# KiCad board Ricardo-Stark.kicad_pcb (continued)
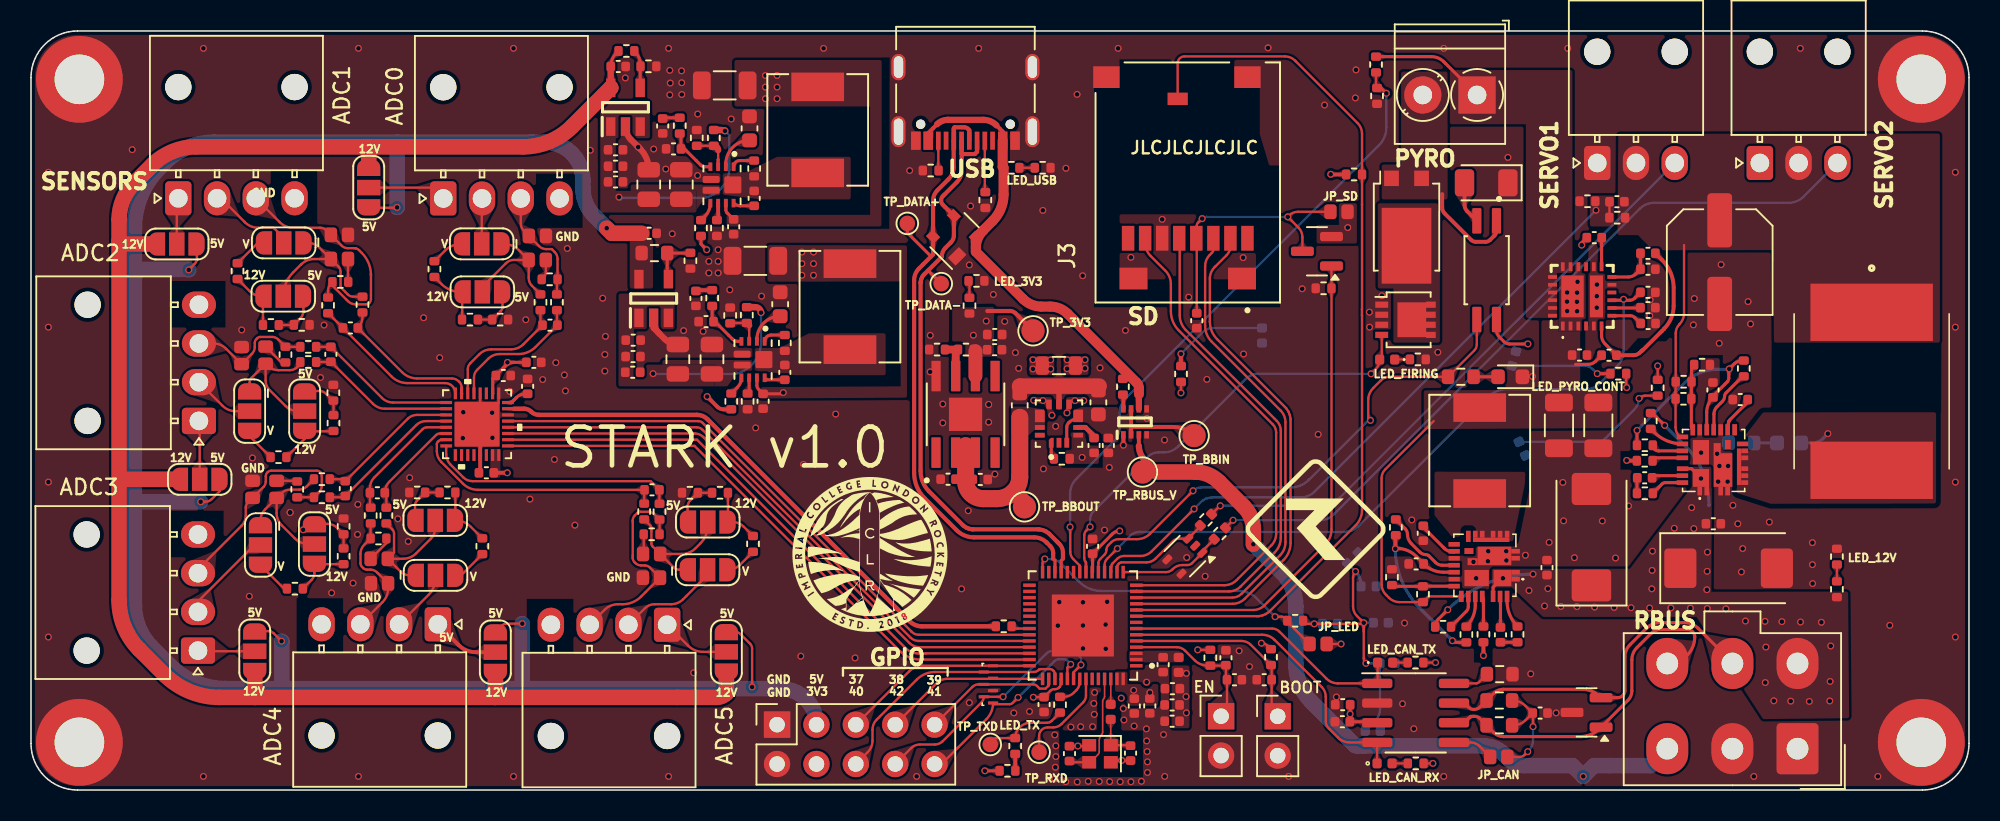
[diagram p0: board, top side]
## Library data of the parts (continued)
Q2 = -: Datasheet: https://assets.nexperia.com/documents/data-sheet/BUK9M11-40E.pdf; ki_fp_filters: LFPAK33*
Q3 = -: Datasheet: https://www.diodes.com/assets/Datasheets/DMP3099L.pdf; Sim.Device: PMOS; Sim.Type: VDMOS; Sim.Pins: 1=D 2=G 3=S; MPN: DMP3099L
R1-R13 R15-R79 R81-R84 R86-R88 R90-R92 R95-R104 R107 = -: ki_fp_filters: R_*
R105 R106 R108-R113 = -: Description: Resistor, small symbol; ki_fp_filters: R_*
TP1-TP8 = -: ki_fp_filters: Pin* Test*
U1 = -: Datasheet: https://www.espressif.com/sites/default/files/documentation/esp32-s3_datasheet_en.pdf
U2 = -: Datasheet: http://www.ti.com/lit/ds/symlink/sn65hvd230.pdf; ki_fp_filters: SOIC*3.9x4.9mm*P1.27mm*
U3 = -: Datasheet: https://www.ti.com/lit/gpn/lm66200; Description: 1.6-V to 5.5-V, 40-m, 2.5-A, low-IQ, dual ideal diode; Arrow Price/Stock: https://www.arrow.com/en/products/lm66200drlr/texas-instruments?region=nac; Height: 0.6; Manufacturer_Name: Texas Instruments; Mouser Part Number: 595-LM66200DRLR; Mouser Price/Stock: https://www.mouser.co.uk/ProductDetail/Texas-Instruments/LM66200DRLR?qs=Rp5uXu7WBW90hnpZAkIOdQ%3D%3D
U4 = -: MANUFACTURER: Maxim Integrated; MAXIMUM_PACKAGE_HEIGHT: 0.6mm; PARTREV: B; STANDARD: Manufacturer Recommended
U6 U10 = -: Datasheet: https://componentsearchengine.com/Datasheets/1/SiC437BED-T1-GE3.pdf; Description: Switching Voltage Regulators 3-28V 12A 50uA microBUCK MLP44-24; Arrow Part Number: SIC437BED-T1-GE3; Arrow Price/Stock: https://www.arrow.com/en/products/sic437bed-t1-ge3/vishay; Height: 0.8; Manufacturer_Name: Vishay; Mouser Part Number: 78-SIC437BED-T1-GE3; Mouser Price/Stock: https://www.mouser.co.uk/ProductDetail/Vishay-Siliconix/SiC437BED-T1-GE3?qs=chTDxNqvsyntp1SKlnHzGA%3D%3D
U7 = -: Datasheet: https://www.ti.com/lit/ds/symlink/ads131m06.pdf?ts=1722711447211&ref_url=https%253A%252F%252Fwww.ti.com%252Fproduct%252FADS131M06%253Fbm-verify%253DAAQAAAAJ_____3PRcak1s9y645AuuHNjtl9rOtrOIaOoIVylsudph4b42jws10PfoUc0NN8_vn4A5W1PRfakw0bMSz4jfLGW4zaYkLbaDcvq5L5_zHo15yGpMW7BVF3od7cx9KhugtbVdriNFDBo5LRJV0MvT1XGnlQPXQsUQtS6SiiLh9zAg47OOFflajmXwhRg6KqjRqyBOY1aoAJpzpQG_9El4vVs_b69ddXI-wn4pOsqD4OqvW4Iuar98OBh1F0vSQESnFJRUPIJBo_njnga3v0Ss-YlF-leunJX_IX177A5irbWwsOW0wVB; Field4: *; Field5: *; Field6: 0.008in/0.204mm; Field7: Copyright 2021 Accelerated Designs. All rights reserved.; Field8: 0.016in/0.4mm; Field9: 0.157in/3.983mm; Field10: *; Field11: *; ki_fp_filters: QFP_06IPBS_TEX QFP_06IPBS_TEX-M QFP_06IPBS_TEX-L
U9 = -: Datasheet: https://www.vishay.com/docs/83510/tcmt11.pdf; ki_fp_filters: SOP*4.4x10.4mm*P1.27mm*
Y1 = -: ki_fp_filters: Crystal*

## Footprints (pads in the part's own frame, mm; a bottom-side part is the same pattern mirrored in y, then rotated)
ADS131M06IRSNR
  rect 0.757x0.204 smd: 1(-1.992,1.4) 2(-1.992,1) 3(-1.992,0.6) 4(-1.992,0.2) 5(-1.992,-0.2) 6(-1.992,-0.6) 7(-1.992,-1) 8(-1.992,-1.4) 17(1.992,-1.4) 18(1.992,-1) 19(1.992,-0.6) 20(1.992,-0.2) 21(1.992,0.2) 22(1.992,0.6) 23(1.992,1) 24(1.992,1.4)
  rect 0.204x0.757 smd: 9(-1.4,-1.992) 10(-1,-1.992) 11(-0.6,-1.992) 12(-0.2,-1.992) 13(0.2,-1.992) 14(0.6,-1.992) 15(1,-1.992) 16(1.4,-1.992) 25(1.4,1.992) 26(1,1.992) 27(0.6,1.992) 28(0.2,1.992) 29(-0.2,1.992) 30(-0.6,1.992) 31(-1,1.992) 32(-1.4,1.992)
  rect 2.896x2.896 smd: 33(0,0)
C_0402_1005Metric
  rrect 0.56x0.62 smd: 1(-0.48,0) 2(0.48,0)
C_0603_1608Metric
  rrect 0.9x0.95 smd: 1(-0.775,0) 2(0.775,0)
C_0805_2012Metric
  rrect 1x1.45 smd: 1(-0.95,0) 2(0.95,0)
C_1206_3216Metric
  rrect 1.15x1.8 smd: 1(-1.475,0) 2(1.475,0)
CONV_MAX77827AEFD+T
  custom 0.635x0.31 smd: 1(-1.3,0.5) 2(-1.3,0) 3(-1.3,-0.5)
  custom 0.31x0.635 smd: 4(-0.8,-1.2) 5(-0.3,-1.2) 13(-0.3,1.3) 14(-0.8,1.3)
  custom 0.81x0.635 smd: 6(0.3,-1.2) 11(0.5,1.3)
  custom 0.635x0.36 smd: 8(1.1,-0.6) 9(1.1,0) 10(1.1,0.7)
CP_EIA-7343-40_Kemet-Y
  rrect 2.075x2.55 smd: 1(-3.112,0) 2(3.112,0)
CP_Elec_6.3x7.7
  rrect 3.5x1.6 smd: 1(-2.7,0) 2(2.7,0)
Crystal_SMD_2016-4Pin_2.0x1.6mm
  rect 0.9x0.8 smd: 1(-0.7,-0.55) 2(0.7,-0.55) 3(0.7,0.55) 4(-0.7,0.55)
D_1206_3216Metric
  rrect 1.25x1.75 smd: 1(-1.4,0) 2(1.4,0)
ETQP5M6M_YLC
  rect 3.7x7.9 smd: 1(-5.1,0) 2(5.1,0)
IC_TPS61089RNRR
  rrect 0.55x0.25 smd: 1(-1.175,0.75) 2(-1.175,0.25) 3(-1.175,-0.25) 4(-1.175,-0.75) 7(1.175,-0.75) 8(1.175,-0.25) 9(1.175,0.25) 10(1.175,0.75)
  rrect 0.45x1.1 smd: 5(-0.35,-0.7) 6(0.35,-0.7)
  rrect 1.1x1.1 smd: 11(0,0.7)
IND_SRP6540-390M
  rect 1.85x3.4 smd: 1(-2.775,0) 2(2.775,0)
JAE_ST1W008S4TR2000
  rect 1.6x0.8 smd: C1(-3.75,-3.85) C2(-3.75,-2.75) C3(-3.75,-1.65) C4(-3.75,-0.55) C5(-3.75,0.55) C6(-3.75,1.65) C7(-3.75,2.75) C8(-3.75,3.85)
  rect 1.4x1.8 smd: GND1(-6.35,-3.5) GND2(-6.35,3.5)
  rect 1.4x1.7 smd: GND3(6.65,5.25) GND4(6.65,-3.85)
  rect 0.8x1.3 smd: SW(5.25,0.65)
L_0402_1005Metric
  rrect 0.59x0.64 smd: 1(-0.485,0) 2(0.485,0)
L_0805_2012Metric
  rrect 0.875x1.2 smd: 1(-1.062,0) 2(1.062,0)
LED_0402_1005Metric
  rrect 0.59x0.64 smd: 1(-0.485,0) 2(0.485,0)
LED_0603_1608Metric
  rrect 0.875x0.95 smd: 1(-0.788,0) 2(0.788,0)
LFPAK33
  rect 0.83x0.3 smd: (-1.535,0.975) (-1.535,0.325) (-1.535,-0.325) (-1.535,-0.975)
  rect 0.51x0.635 smd: (-0.215,0.626) (-0.215,-0.626) (0.645,0.626) (0.645,-0.626)
  rect 0.75x0.3 smd: (1.575,0.975) (1.575,0.325) (1.575,-0.325) (1.575,-0.975)
  rect 0.83x0.4 smd: 1(-1.535,0.975) 2(-1.535,0.325) 3(-1.535,-0.325) 4(-1.535,-0.975)
  custom 2.47x2.35 smd: 5(0.405,0)
Molex_Mini-Fit_Jr_5566-06A_2x03_P4.20mm_Vertical
  rrect 2.7x3.3 hole 1.4: 1(0,0)
  oval 2.7x3.3 hole 1.4: 2(4.2,0) 3(8.4,0) 4(0,-5.5) 5(4.2,-5.5) 6(8.4,-5.5)
Molex_Nano-Fit_105313-xx03_1x03_P2.50mm_Horizontal
  round 1.7 hole 1.7 unplated: (7.18,0) (7.18,-5)
  rrect 2.2x1.7 hole 1.2: 1(0,0)
  oval 2.2x1.7 hole 1.2: 2(0,-2.5) 3(0,-5)
Molex_Nano-Fit_105313-xx04_1x04_P2.50mm_Horizontal
  round 1.7 hole 1.7 unplated: (7.18,0) (7.18,-7.5)
  rrect 2.2x1.7 hole 1.2: 1(0,0)
  oval 2.2x1.7 hole 1.2: 2(0,-2.5) 3(0,-5) 4(0,-7.5)
MountingHole_3.2mm_M3_DIN965_Pad
  round 5.6 hole 3.2: 1(0,0)
PinHeader_1x02_P2.54mm_Vertical
  rect 1.7x1.7 hole 1: 1(0,0)
  oval 1.7x1.7 hole 1: 2(0,-2.54)
PinSocket_2x05_P2.54mm_Vertical
  rect 1.7x1.7 hole 1: 1(0,0)
  oval 1.7x1.7 hole 1: 2(-2.54,0) 3(0,-2.54) 4(-2.54,-2.54) 5(0,-5.08) 6(-2.54,-5.08) 7(0,-7.62) 8(-2.54,-7.62) 9(0,-10.16) 10(-2.54,-10.16)
QFN40P700X700X90-57N
  rrect 0.81x0.22 smd: 1(-3.445,2.6) 2(-3.445,2.2) 3(-3.445,1.8) 4(-3.445,1.4) 5(-3.445,1) 6(-3.445,0.6) 7(-3.445,0.2) 8(-3.445,-0.2) 9(-3.445,-0.6) 10(-3.445,-1) 11(-3.445,-1.4) 12(-3.445,-1.8) 13(-3.445,-2.2) 14(-3.445,-2.6) 29(3.445,-2.6) 30(3.445,-2.2) 31(3.445,-1.8) 32(3.445,-1.4) 33(3.445,-1) 34(3.445,-0.6) 35(3.445,-0.2) 36(3.445,0.2) 37(3.445,0.6) 38(3.445,1) 39(3.445,1.4) 40(3.445,1.8) 41(3.445,2.2) 42(3.445,2.6)
  rrect 0.22x0.81 smd: 15(-2.6,-3.445) 16(-2.2,-3.445) 17(-1.8,-3.445) 18(-1.4,-3.445) 19(-1,-3.445) 20(-0.6,-3.445) 21(-0.2,-3.445) 22(0.2,-3.445) 23(0.6,-3.445) 24(1,-3.445) 25(1.4,-3.445) 26(1.8,-3.445) 27(2.2,-3.445) 28(2.6,-3.445) 43(2.6,3.445) 44(2.2,3.445) 45(1.8,3.445) 46(1.4,3.445) 47(1,3.445) 48(0.6,3.445) 49(0.2,3.445) 50(-0.2,3.445) 51(-0.6,3.445) 52(-1,3.445) 53(-1.4,3.445) 54(-1.8,3.445) 55(-2.2,3.445) 56(-2.6,3.445)
  rect 4x4 smd: 57(0,0)
R_0402_1005Metric
  rrect 0.54x0.64 smd: 1(-0.51,0) 2(0.51,0)
R_0603_1608Metric
  rrect 0.8x0.95 smd: 1(-0.825,0) 2(0.825,0)
RCLAMP3346PQTNT
  rect 0.2x0.65 smd: 1(-1.2,-0.3) 2(-0.4,-0.3) 3(0.4,-0.3) 4(1.2,-0.3) 5(-0.8,0.3) 6(0,0.3) 7(0.8,0.3)
SiC437BEDT1GE3
  rect 0.55x0.3 smd: 1(-1.981,0.894) 2(-1.981,0.444) 3(-1.981,-0.456) 4(-1.981,-0.906)
  rect 0.3x0.45 smd: 5(-1.431,-2.006) 6(-0.981,-2.006) 7(-0.531,-2.006) 8(0.169,-2.006) 9(0.619,-2.006)
  rect 0.3x0.725 smd: 10(1.069,-1.869) 18(1.519,2.006) 19(1.069,2.006) 20(0.619,2.006) 21(0.169,2.006) 22(-0.531,2.006) 23(-0.981,2.006) 24(-1.431,2.006)
  rect 0.725x0.3 smd: 11(1.981,-1.356) 12(1.981,-0.906) 13(1.981,-0.456) 14(1.981,-0.006) 15(1.981,0.444) 16(1.981,0.894) 17(1.981,1.344)
  rect 1.575x1.05 smd: 25(0.531,0.819)
  rect 1.15x1.05 smd: 26(-1.131,0.819)
  rect 2.175x1.2 smd: 27(-0.619,-0.606)
  rect 0.58x0.38 smd: 28(1.029,-0.921)
  rect 0.65x0.455 smd: 29(0.794,-0.234)
  rect 2.35x0.275 smd: 30(-0.406,-1.644)
SmallerSolderJP
  rrect 0.8x0.95 smd: 1(-0.825,0) 2(0.28,0)
SOIC127P599X175-9N
  rrect 1.97x0.6 smd: 1(-2.47,1.905) 2(-2.47,0.635) 3(-2.47,-0.635) 4(-2.47,-1.905) 5(2.47,-1.905) 6(2.47,-0.635) 7(2.47,0.635) 8(2.47,1.905)
  rect 2.15x2.15 smd: 9(0,0)
SOIC127P700X230-4N
  rrect 1.64x0.59 smd: 1(-3.185,0.635) 2(-3.185,-0.635) 3(3.185,-0.635) 4(3.185,0.635)
SOIC-8_3.9x4.9mm_P1.27mm
  rrect 1.95x0.6 smd: 1(-2.475,1.905) 2(-2.475,0.635) 3(-2.475,-0.635) 4(-2.475,-1.905) 5(2.475,-1.905) 6(2.475,-0.635) 7(2.475,0.635) 8(2.475,1.905)
SolderJumper-3_P1.3mm_Open_RoundedPad1.0x1.5mm_NumberLabels
  custom 1.05x1.5 smd: 1(-1.3,0) 3(1.3,0)
  rect 1x1.5 smd: 2(0,0)
SOT95P282X145-5N
  rect 1.2x0.6 smd: 1(-1.25,0.95) 2(-1.25,0) 3(-1.25,-0.95) 4(1.25,-0.95) 5(1.25,0.95)
SOT-23
  rrect 1.475x0.6 smd: 1(-0.938,0.95) 2(-0.938,-0.95) 3(0.938,0)
SOT-23#2
  rrect 1.475x0.6 smd: 1(0.938,0) 2(-0.938,0.95) 3(-0.938,-0.95)
SOT-143
  rect 0.7x1 smd: 1(-1,0.75)
  rect 0.7x0.6 smd: 2(-1,-0.95) 3(1,-0.95) 4(1,0.95)
SOT-353_SC-70-5
  rrect 0.65x0.4 smd: 1(-0.95,0.65) 2(-0.95,0) 3(-0.95,-0.65) 4(0.95,-0.65) 5(0.95,0.65)
SOTFL50P160X60-8N
  rect 0.475x0.3 smd: 1(-0.838,0.75) 2(-0.838,0.25) 3(-0.838,-0.25) 4(-0.838,-0.75) 5(0.838,-0.75) 6(0.838,-0.25) 7(0.838,0.25) 8(0.838,0.75)
TerminalBlock_Phoenix_PT-1,5-2-3.5-H_1x02_P3.50mm_Horizontal
  rect 2.4x2.4 hole 1.2: 1(0,0)
  round 2.4 hole 1.2: 2(3.5,0)
TestPoint_Pad_D1.0mm
  round 1 smd: 1(0,0)
TestPoint_Pad_D1.5mm
  round 1.5 smd: 1(0,0)
TO-277B
  rect 1.3x1.2 smd: (-0.9,0.6) (-0.9,-1.2) (-0.9,-3) (0.9,0.6) (0.9,-1.2) (0.9,-3)
  rect 0.95x1 smd: 1(-0.97,3.15) 2(0.97,3.15)
  rect 3.2x4.9 smd: 3(0,-1.2)
TPS259830ONRGER
  rect 0.575x0.24 smd: 1(-1.913,1.25) 2(-1.913,0.75) 3(-1.913,0.25) 4(-1.913,-0.25) 5(-1.913,-0.75) 6(-1.913,-1.25) 13(1.913,-1.25) 14(1.913,-0.75) 15(1.913,-0.25) 16(1.913,0.25) 17(1.913,0.75) 18(1.913,1.25)
  rect 0.24x0.575 smd: 7(-1.25,-1.913) 8(-0.75,-1.913) 9(-0.25,-1.913) 10(0.25,-1.913) 11(0.75,-1.913) 12(1.25,-1.913) 19(1.25,1.913) 20(0.75,1.913) 21(0.25,1.913) 22(-0.25,1.913) 23(-0.75,1.913) 24(-1.25,1.913)
  rect 2.7x1.45 smd: 25(0,0.625)
  rect 2.7x0.85 smd: 26(0,-0.925)
USB_C_Receptacle_Palconn_UTC16-G
  round 0.6 hole 0.6 unplated: (-2.89,1.45) (2.89,1.45)
  rect 0.6x1.16 smd: A1(-3.2,2.51) A4(-2.4,2.51) A9(2.4,2.51) A12(3.2,2.51) B1(3.2,2.51) B4(2.4,2.51) B9(-2.4,2.51) B12(-3.2,2.51)
  rect 0.3x1.16 smd: A5(-1.25,2.51) A6(-0.25,2.51) A7(0.25,2.51) A8(1.25,2.51) B5(1.75,2.51) B6(0.75,2.51) B7(-0.75,2.51) B8(-1.75,2.51)
  oval 0.9x2 hole 0.6x1.7: S1(-4.32,1.93) S1(4.32,1.93)
  oval 0.9x1.7 hole 0.6x1.4: S1(-4.32,-2.24) S1(4.32,-2.24)

## Nets
+3.3V: C1.1 C4.1 C5.1 C7.1 C9.1 C10.1 C11.1 C14.1 C15.1 C23.2 C24.2 C37.1 C56.1 C57.1 C67.1 C70.1 C82.1 C84.1 IC1.9 IC4.9 J5.4 JP2.2 JP34.1 L1.1 L5.1 L6.1 Q3.3 R1.1 R2.1 R3.1 R4.1 R5.1 R6.2 R9.2 R10.2 R11.2 R12.2 R23.1 R30.2 R44.2 R113.1 TP7.1 U1.20 U1.46 U1.55 U1.56 U2.3 U5.6 U7.15 U7.16 U7.26 U9.4
+5V: C55.1 IC2.5 J5.3 JP10.1 JP12.1 JP17.1 JP23.1 JP28.1 JP33.1 R65.2
+6V: C29.1 C36.1 J14.2 J15.2 L4.1 R26.2 R29.2 R34.2 U6.18
+12V: C65.1 IC3.5 JP10.3 JP12.3 JP17.3 JP23.3 JP28.3 JP33.3 R107.2
/buckC/VDD: C25.2 R25.1 R31.2 U6.15
/Pyro/VDD: C73.2 R81.1 R86.2 U10.15
GND: 3V3LED1.1 3V3LED2.1 3V3LED3.1 3V3LED4.1 3V3LED5.1 3V3LED6.1 3V3LED7.1 3V3LED8.1 3V3LED9.1 3V3LED10.1 12VLED1.1 BOOTJUMPER1.2 C1.2 C2.2 C3.2 C4.2 C5.2 C6.2 C7.2 C8.2 C9.2 C10.2 C11.2 C12.2 C13.2 C14.2 C15.2 C16.2 C17.2 C18.2 C19.2 C20.2 C21.2 C22.2 C23.1 C24.1 C25.1 C26.1 C27.2 C28.2 C29.2 C30.2 C34.2 C37.2 C39.2 C40.2 C45.1 C46.1 C48.2 C49.2 C50.2 C51.2 C52.2 C53.2 C55.2 C56.2 C57.2 C58.2 C59.2 C60.2 C61.2 C62.2 C63.2 C64.2 C65.2 C67.2 C68.2 C69.2 C70.2 C73.1 C74.1 C75.2 C81.2 C82.2 C83.2 C84.2 D1.3 D2.1 D4.1 D5.4 D5.5 D6.1 D7.2 ENJUMPER1.2 H1.1 H2.1 H3.1 H4.1 IC1.5 IC2.2 IC3.2 IC4.5 IC5.4 IC5.5 IC5.11 IC5.14 IC5.26 J1.1 J1.2 J2.A1 J2.A12 J2.B1 J2.B12 J2.S1 J3.C6 J3.GND1 J3.GND2 J3.GND3 J3.GND4 J5.1 J5.2 J6.4 J7.4 J8.4 J9.4 J10.4 J11.4 J14.1 J15.1 JP8.1 JP11.1 JP16.1 JP22.1 JP27.1 JP32.1 Q2.1 Q2.2 Q2.3 R15.2 R18.2 R19.1 R22.2 R24.2 R27.1 R32.2 R35.1 R38.2 R43.1 R50.2 R56.2 R62.1 R63.1 R64.1 R69.1 R70.1 R71.1 R72.1 R76.2 R77.2 R83.1 R87.2 R90.2 R95.2 R101.2 R110.2 R111.2 R112.2 U1.57 U2.2 U3.1 U3.4 U3.5 U4.4 U4.9 U5.8 U5.9 U6.3 U6.4 U6.13 U6.16 U6.25 U6.27 U6.29 U7.13 U7.22 U7.25 U7.28 U7.33 U10.3 U10.4 U10.13 U10.16 U10.25 U10.27 U10.29 USBLED1.1 Y1.2 Y1.4
VBUS: D2.2 J2.A4 J2.A9 J2.B4 J2.B9 R20.1 R21.1 U3.6
/ADS_CLK: R91.1 U7.23
/ADS_CS0: U1.41 U7.17
/Boosts/FB_5V: IC1.3 R61.1 R62.2
/Boosts/FB_12V: IC4.3 R68.1 R69.2
/Boosts/LDO5.5V_IN: C51.1 C52.1 C53.1 C58.1 C59.1 IC1.6 IC2.1 IC2.3 R61.2
/Boosts/LDO12V_IN: C39.1 C60.1 C64.1 C68.1 C69.1 IC3.1 IC3.3 IC4.6 R68.2
/Boosts/SW_5V: IC1.1 R66.1
/Boosts/SW_12V: IC4.1 R73.1
/BOOT: BOOTJUMPER1.1 C8.1 R5.2 U1.5
/buckC/BOOT: C35.1 U6.23
/buckC/EN: R33.1 U6.19
/buckC/FB: R26.1 R27.2 R29.1 U6.17
/buckC/PHASE: R28.1 U6.24
/buckC/SW: C78.1 L4.2 U6.5 U6.6 U6.7 U6.8 U6.9 U6.30
/CAN+: D1.2 J1.5 R16.1 U2.7
/CAN-: D1.1 J1.6 R17.2 U2.6
/CAN-BUS/Vref: JP1.1 U2.5
/CAN_RX: CANRXLED1.1 U1.6 U2.4
/CAN_TX: CANTXLED1.1 U1.7 U2.1
/CHIP_PU: C2.1 C3.1 ENJUMPER1.1 R1.2 U1.4
/Cont 1: R79.1 U1.19 U9.3
/Data+: D2.4 J2.A6 J2.B6 TP4.1 U1.26
/Data-: D2.3 J2.A7 J2.B7 TP3.1 U1.25
/DRDY: U1.40 U7.18
/Fuse_Cont: R42.2 R43.2 U1.22
/GPIO37: D7.4 J5.5 U1.42
/GPIO38: D7.3 J5.7 U1.43
/GPIO39: D7.6 J5.9 U1.44
/GPIO40: D7.7 J5.6 U1.45
/GPIO41: D7.1 J5.10 U1.47
/GPIO42: D7.5 J5.8 U1.48
/HSPI_MISO: U1.38 U7.20
/HSPI_MOSI: U1.37 U7.21
/HSPI_SCLK: U1.39 U7.19
/LEDC: JP2.1 R13.2 U1.28
/Nuke 1: Firing1.2 Q2.4 U1.21
/Power/BBIN: C17.1 C18.1 TP5.1 U3.2 U3.7 U4.3 U4.6
/Power/BBOUT: C20.1 C21.1 C22.1 TP8.1 U4.11 U4.13 U5.2 U5.3
/Power/BIAS: C19.1 U4.5
/Power/FBIn: R23.2 R24.1 U5.7
/Power/LX1: L3.1 U4.8
/Power/LX2: L3.2 U4.10
/Power/SEL: R22.1 U4.1
/pressure_sensor/AIN0N: C38.1 R39.1 U7.30
/pressure_sensor/AIN0P: C38.2 R40.1 U7.29
/pressure_sensor/AIN1N: C33.1 R46.1 U7.31
/pressure_sensor/AIN1P: C33.2 R47.1 U7.32
/pressure_sensor/AIN2N: C42.1 R57.1 U7.2
/pressure_sensor/AIN2P: C42.2 R58.1 U7.1
/pressure_sensor/AIN3N: C41.1 R51.1 U7.3
/pressure_sensor/AIN3P: C41.2 R52.1 U7.4
/pressure_sensor/AIN4N: C44.1 R102.1 U7.6
/pressure_sensor/AIN4P: C44.2 R103.1 U7.5
/pressure_sensor/AIN5N: C43.1 R96.1 U7.7
/pressure_sensor/AIN5P: C43.2 R97.1 U7.8
/Pyro/BOOT: C76.1 U10.23
/Pyro/EFuse_In: C40.1 C46.2 C75.1 IC5.1 IC5.2 IC5.3 IC5.16 IC5.25 L7.1 R82.2 R108.1 U10.18
/Pyro/EN: R88.1 U10.19
/Pyro/FB: R82.1 R83.2 U10.17
/Pyro/OVLO: IC5.12 R109.2 R110.1
/Pyro/PHASE: R84.1 U10.24
/Pyro/PyroV: IC5.17 IC5.18 IC5.19 IC5.20 IC5.21 IC5.22 IC5.23 IC5.24 J12.1 R42.1
/Pyro/SW: L7.2 U10.5 U10.6 U10.7 U10.8 U10.9 U10.30
/Pyro_IMON: IC5.9 R112.1 U1.18
/RXD: TP2.1 U1.50
/SD1_CS: J3.C2 U1.11
/SD1_DET: J3.SW R30.1 U1.9
/SD_EN: Q3.2 R71.2 U1.10
/Servo1PWM: D5.3 R105.1 U1.16
/Servo2PWM: D5.1 R106.1 U1.15
/ServoV_LOG: C36.2 R34.1 R35.2 U1.17
/TXD: R7.1 TP1.1 TXLED1.1
/VSPI_MISO: J3.C7 U1.14
/VSPI_MOSI: J3.C3 U1.12
/VSPI_SCLK: J3.C5 U1.13
DeployV: C27.1 C28.1 C34.1 C83.1 J1.4 R8.1 R33.2 R88.2 U6.1 U6.2 U6.22 U6.26 U10.1 U10.2 U10.22 U10.26
RBUS_uC_V: J1.3 TP6.1 U3.3
Net-(3V3LED1-A): 3V3LED1.2 R6.1
Net-(3V3LED2-A): 3V3LED2.2 R11.1
Net-(3V3LED3-A): 3V3LED3.2 R12.1
Net-(3V3LED8-A): 3V3LED8.2 R44.1
Net-(3V3LED10-A): 3V3LED4.2 3V3LED5.2 3V3LED6.2 3V3LED7.2 3V3LED9.2 3V3LED10.2 R13.1
Net-(12VLED1-A): 12VLED1.2 R8.2
Net-(C6-Pad1): C6.1 L1.2 U1.2 U1.3
Net-(C13-Pad1): C13.1 L2.2 Y1.1
Net-(C35-Pad2): C35.2 R28.2
Net-(C50-Pad1): C50.1 R60.2
Net-(C63-Pad1): C63.1 R67.2
Net-(C76-Pad2): C76.2 R84.2
Net-(C78-Pad2): C78.2 R90.1
Net-(CANRXLED1-A): CANRXLED1.2 R3.2
Net-(CANTXLED1-A): CANTXLED1.2 R2.2
Net-(D3-K): D3.3 Q2.5
Net-(D4-A): D4.2 R79.2
Net-(D5-Pad2): D5.2
Net-(D6-A): D6.2 U9.2
Net-(Firing1-K): Firing1.1 R77.1
Net-(IC1-BOOT): C54.1 IC1.10
Net-(IC1-COMP): C49.1 IC1.4 R60.1
Net-(IC1-EN): IC1.7 R9.1
Net-(IC1-ILIM): IC1.8 R63.2
Net-(IC1-SW): C54.2 IC1.11 L5.2 R66.2
Net-(IC1-VCC): C48.1 IC1.2
Net-(IC2-ADJ/NC): IC2.4 R64.2 R65.1
Net-(IC3-ADJ/NC): IC3.4 R70.2 R107.1
Net-(IC4-BOOT): C66.1 IC4.10
Net-(IC4-COMP): C62.1 IC4.4 R67.1
Net-(IC4-EN): IC4.7 R10.1
Net-(IC4-ILIM): IC4.8 R72.2
Net-(IC4-SW): C66.2 IC4.11 L6.2 R73.2
Net-(IC4-VCC): C61.1 IC4.2
Net-(IC5-EN/UVLO): IC5.6 R108.2 R109.1
Net-(IC5-ILIM): IC5.8 R111.1
Net-(IC5-ITIMER): C45.2 IC5.7
Net-(IC5-PG): IC5.13 R113.2
Net-(J2-CC1): J2.A5 R18.1
Net-(J2-CC2): J2.B5 R19.2
Net-(J12-Pin_2): D3.1 D3.2 J12.2 U9.1
Net-(J14-Pin_3): J14.3 R105.2
Net-(J15-Pin_3): J15.3 R106.2
Net-(JP1-B): C16.1 JP1.2 R16.2 R17.1
Net-(JP4-A): JP4.1 R49.2
Net-(JP5-B): JP5.3 R74.1
Net-(JP5-C): J7.2 JP5.2
Net-(JP6-A): JP6.1 R37.2 R38.1
Net-(JP6-B): JP6.3 R36.2 R37.1
Net-(JP6-C): JP6.2 JP7.1 JP9.2 R39.2
Net-(JP7-B): JP7.3 R36.1
Net-(JP7-C): J6.2 JP7.2
Net-(JP8-B): J7.3 JP8.2 R47.2 R49.1
Net-(JP9-A): JP9.1 R41.2
Net-(JP10-C): J7.1 JP10.2
Net-(JP11-B): J6.3 JP11.2 R40.2 R41.1
Net-(JP12-C): J6.1 JP12.2
Net-(JP13-A): JP13.1 R48.2 R50.1
Net-(JP13-B): JP13.3 R45.2 R48.1
Net-(JP13-C): JP13.2 JP14.1 JP15.2 R51.2
Net-(JP14-B): JP14.3 R45.1
Net-(JP14-C): J9.2 JP14.2
Net-(JP15-A): JP15.1 R53.2
Net-(JP16-B): J9.3 JP16.2 R52.2 R53.1
Net-(JP17-C): J8.1 JP17.2
Net-(JP18-A): JP18.1 R55.2 R56.1
Net-(JP18-B): JP18.3 R54.2 R55.1
Net-(JP18-C): JP18.2 JP19.1 JP21.2 R57.2
Net-(JP19-B): JP19.3 R54.1
Net-(JP19-C): J8.2 JP19.2
Net-(JP20-A): JP20.1 R75.2 R76.1
Net-(JP20-B): JP20.3 R74.2 R75.1
Net-(JP20-C): JP4.2 JP5.1 JP20.2 R46.2
Net-(JP21-A): JP21.1 R59.2
Net-(JP22-B): J8.3 JP22.2 R58.2 R59.1
Net-(JP23-C): J9.1 JP23.2
Net-(JP24-A): JP24.1 R92.2 R95.1
Net-(JP24-B): JP24.3 R78.2 R92.1
Net-(JP24-C): JP24.2 JP25.1 JP26.2 R96.2
Net-(JP25-B): JP25.3 R78.1
Net-(JP25-C): J11.2 JP25.2
Net-(JP26-A): JP26.1 R98.2
Net-(JP27-B): J11.3 JP27.2 R97.2 R98.1
Net-(JP28-C): J10.1 JP28.2
Net-(JP29-A): JP29.1 R100.2 R101.1
Net-(JP29-B): JP29.3 R99.2 R100.1
Net-(JP29-C): JP29.2 JP30.1 JP31.2 R102.2
Net-(JP30-B): JP30.3 R99.1
Net-(JP30-C): J10.2 JP30.2
Net-(JP31-A): JP31.1 R104.2
Net-(JP32-B): J10.3 JP32.2 R103.2 R104.1
Net-(JP33-C): J11.1 JP33.2
Net-(JP34-B): C30.1 J3.C4 JP34.2 Q3.1
Net-(TXLED1-A): R4.2 TXLED1.2
Net-(U1-SPICLK_N/GPIO48): R91.2 U1.36
Net-(U1-U0TXD/PROG/GPIO43): R7.2 U1.49
Net-(U1-XTAL_N): C12.1 U1.53 Y1.3
Net-(U1-XTAL_P): L2.1 U1.54
Net-(U2-Rs): R15.1 U2.8
Net-(U3-ST): R21.2 U3.8
Net-(U6-_MODE_1): R32.1 U6.21
Net-(U6-MODE_2): R31.1 U6.20
Net-(U6-P_GOOD): R25.2 U6.14
Net-(U6-V_DRV): C26.2 U6.12
Net-(U7-CAP): C81.1 U7.24
Net-(U10-_MODE_1): R87.1 U10.21
Net-(U10-MODE_2): R86.1 U10.20
Net-(U10-P_GOOD): R81.2 U10.14
Net-(U10-V_DRV): C74.2 U10.12
Net-(USBLED1-A): R20.2 USBLED1.2

Pads without a net: IC5 10 15; J2 A8 B8; J3 C1 C8; U1 1 8 23 24 27 29 30 31 32 33 34 35 51 52; U4 2 14; U5 1 4 5; U6 10 11 28; U7 9 10 11 12 14 27; U10 10 11 28

## Via types
v1: diameter 0.45, hole 0.3, Top to Bottom, 387 vias

## Routing (per net, layer and track width the routed paths; a pad name or vN(x,y) marks a point on that pad's centre or on a via; arc(x,y) is an arc through that point)
+3.3V: length 38.3
  Top w0.15: v1(102.92,25.98) 102.89,26.01 R44.2 ; 74.38,26.14 R12.2 74.18,25.65 v1(74.17,25.64) ; R2.1 v1(90.59,8.23) ; v1(64.65,5.99) 64.66,6 C11.1 65.75,6.41 arc(65.87,6.49) 66,6.51 66.07,6.51 arc(66.19,6.54) 66.3,6.61 66.35,6.65 66.37,6.68 arc(66.39,6.73) 66.4,6.79 ; R11.2 v1(104.92,27.38) ; R5.1 79.75,9.32 arc(79.57,9.44) v1(79.36,9.48) ; R3.1 v1(90.42,1.72) ; R1.1 v1(75.25,9.05) ; JP2.2 v1(84.5,9.43) ; 66.4,7.13 U1.46
  Top w0.2: IC1.9 46.82,26.11 arc(46.84,25.99) 46.91,25.89 C56.1 48.44,25.58 v1(48.52,25.66) ; U2.3 86.77,4.41 C15.1 85.09,4.43 85.09,4.9 v1(85.08,4.91) 85.09,4.91 C14.1 ; 74.25,6.52 74.27,6.54 ; R113.1 100.02,35.33 v1(100.02,35.18) ; 45.38,36.78 44.89,37.27 arc(44.84,37.35) 44.82,37.44 IC4.9 ; 31.15,27.61 C82.1 ; 31.15,27.61 v1(30.73,27.61) 30.73,27.51 30.46,27.23 ; 31.15,27.61 arc(30.86,27.55) 30.61,27.38 30.46,27.23 ; 30.46,27.23 C84.1 29.78,26.56 29.78,25.59 arc(29.77,25.59) 29.77,25.6 ; v1(96.55,28.8) 96.55,28.79 95.37,28.79 arc(95.17,28.83) 95.01,28.94 94.71,29.24 arc(94.57,29.45) 94.52,29.69 U9.4 ; U1.20 68.47,14.09 C10.1 69.76,16.54 arc(69.97,16.68) v1(70.22,16.73) ; R10.2 43.21,35.25 v1(43.58,34.88) ; R4.1 v1(61.52,1.24) ; 66.44,7.17 arc(66.44,7.17) U1.46
  Top w0.25: v1(43.61,25.4) 44.27,24.74 arc(44.45,24.62) 44.66,24.58 R9.2 ; v1(30.72,20.48) C37.1 29.77,20.56 ; 84.77,39.74 83.86,39.74
  Top w0.267: 61.68,30.92 63.15,30.92 arc(63.34,30.89) 63.5,30.78 TP7.1
  Top w0.9: U5.6 60.91,28.33
  vias: v1(47.37,46.13) v1(47.37,45.38) v1(47.37,44.63) v1(48.12,46.13) v1(48.12,45.38) v1(48.12,44.63) v1(49.72,34.73) v1(49.72,33.98) v1(49.72,33.23) v1(50.47,34.73) v1(50.47,33.98) v1(50.47,33.23) v1(60.78,29.36) v1(61.61,30.27) v1(71.12,6.44) v1(72.17,6.29) v1(74.52,7.53) v1(74.5,6.03) v1(74.52,4.98) v1(83.83,39.75) v1(84.93,36.31)
+5V: length 146.5
  Top w0.15: v1(16.16,9.61) 15.65,10.12 arc(15.5,10.22) 15.31,10.26 JP23.1 ; v1(31.69,10.74) 30.69,10.74 arc(30.51,10.7) 30.35,10.6 JP28.1 ; JP10.1 10.7,34.32 arc(10.66,34.12) 10.55,33.96 v1(10.17,33.58) ; JP17.1 12.18,19.3 11.66,18.78 arc(11.47,18.65) 11.24,18.61 v1(10.94,18.61) ; v1(46.51,6.65) 46.51,9.14 arc(46.48,9.3) 46.39,9.44 45.76,10.06 arc(45.59,10.18) 45.38,10.22 JP33.1 ; v1(23.61,37.61) 23.59,37.59 JP12.1
  Top w0.4: 39.39,35.93 arc(39.39,35.94) C55.1
  Top w1: C55.1 37.46,35.94 v1(37.13,36.27)
  Bottom w0.15: 50.68,4.24 50.68,4.91
  Bottom w1: v1(23.61,37.61) 23.62,37.62 23.62,41.82 ; v1(37.13,36.27) 36.33,37.07 arc(35.79,37.88) 35.6,38.84 35.6,39.37 arc(34.88,41.1) 33.15,41.82 32.4,41.82 32.23,41.82 23.62,41.82 ; 16.18,6.55 12.55,6.55 arc(10.62,6.93) 8.98,8.03 7.8,9.21 arc(6.96,10.46) 6.67,11.94 6.67,18.61 ; 16.18,6.55 31.68,6.55 ; 16.18,6.55 16.18,9.59 v1(16.16,9.61) ; 6.67,33.61 10.14,33.61 v1(10.17,33.58) ; 6.67,33.61 6.67,18.61 ; 6.67,33.61 6.67,36.26 arc(7.09,38.37) 8.29,40.16 8.63,40.51 arc(10.09,41.48) 11.81,41.82 23.62,41.82 ; 6.67,18.61 v1(10.94,18.61) ; 31.68,6.55 48.33,6.55 arc(49.98,5.87) J5.3 ; 31.68,6.55 31.68,10.73 v1(31.69,10.74)
+6V: length 12.8
  Top w0.15: 106.07,26.35 R26.2 106.07,23.42 arc(106.14,23.11) 106.31,22.84 106.52,22.84 ; R29.2 106.08,29.48 arc(106.15,29.8) 106.33,30.07 106.33,30.07 arc(106.55,30.39) 106.62,30.78 106.62,35.18
  Top w0.4: R29.2 arc(106.08,26.35) 106.07,26.35
+12V: length 117.7
  Top w0.2: R107.2 37.75,47.57 arc(37.49,47.17) C65.1
  Top w0.4: IC3.5 C65.1
  Top w1: JP33.3 44.85,6.24 arc(44.56,6.05) 44.22,5.98 29.92,5.98 ; 5.68,19.79 5.95,20.06 JP17.3 ; 5.68,19.79 5.68,12.24 arc(6.02,10.52) 7,9.06 8.61,7.45 arc(10.24,6.36) 12.16,5.98 14.43,5.98 ; 5.68,19.79 5.68,35.42 ; 14.43,5.98 JP23.3 ; 14.43,5.98 29.92,5.98 ; 29.92,5.98 29.95,6.01 JP28.3 ; 5.68,35.42 5.68,36.83 arc(5.93,38.1) 6.66,39.18 7.82,40.35 arc(9.12,41.22) 10.65,41.52 21.78,41.52 ; 5.68,35.42 5.85,35.25 JP10.3 ; 21.78,41.52 JP12.3 ; 21.78,41.52 31.73,41.52 arc(33.45,41.86) 34.9,42.83 IC3.5
/buckC/VDD: length 18.7
  Top w0.2: R25.1 110.37,27.73 arc(110.1,27.67) 109.87,27.52 v1(109.54,27.19) arc(109.51,27.15) 109.51,27.11 109.51,26.59 arc(109.48,26.46) 109.41,26.35 108.5,25.45 108.5,25.42 108.49,25.39 C25.2 arc(108.19,24.9) 108.08,24.37 U6.15 arc(108.1,23.26) 108.11,23.29 ; R31.2 103.58,23.16
  Bottom w0.2: v1(109.54,27.19) 109.52,27.17 108.8,27.17 arc(107.63,26.93) 106.65,26.27 v1(103.59,23.22) arc(104.43,25.36) 103.58,23.16
/Pyro/VDD: length 16.1
  Top w0.2: U10.15 91.11,14.06 arc(90.41,14.2) C73.2 arc(89.82,14.61) 89.81,14.63 89.37,15.07 arc(88.77,15.47) 88.07,15.61 arc(88.03,15.6) v1(88,15.58) ; R86.2 91.95,9.53 arc(91.8,9.56) v1(91.68,9.64)
  Top w0.25: v1(88,15.58) 88,16.37 arc(88.01,16.41) R81.1
  Bottom w0.2: 89.7,11.62 v1(91.68,9.64) 89.6,11.72 arc(88.42,13.49) v1(88,15.58)
GND: length 26.6
  Top w0.15: C12.2 67.51,2.83 v1(67.52,2.84) 67.53,2.83 68.19,2.83 Y1.2 ; Y1.4 69.76,1.9 70.34,1.9 v1(70.35,1.91) 70.36,1.9 C13.2 ; U7.28 28.97,23.81 U7.33 30.16,25 30.16,25.59 U7.25
  Top w0.25: v1(93.68,8.68) R87.2 ; C37.2 28.97,20.56 U7.13 28.97,23.13 arc(28.92,23.39) U7.33 ; v1(102.92,21.28) 102.94,21.26 R32.2 ; 66.31,25.89 66.31,25.89 ; 70.46,22.84 v1(70.46,22.26)
  Top w0.36: 66.31,24.75 66.31,25.89
  Top w0.4: 40.52,29.47 40.88,29.11 arc(41.27,28.85) C53.2 ; 40.52,29.47 40.16,29.83 IC2.2 40.16,30.34 arc(40.25,29.87) 40.52,29.47 ; IC3.2 arc(38.43,42.38) 38.69,41.99 39.08,41.6 v1(39.16,41.51) 39.28,41.4 arc(39.7,40.78) C39.2
  Top w1: 63.76,26.06 63.78,26.08 68.9,26.08
  In1.Cu w0.2: 100.68,33.87 99.94,33.87
  vias: v1(1.12,39.88) v1(1.12,29.88) v1(1.12,19.88) v1(1.12,9.88) v1(6.53,41.34) v1(11.12,47.88) v1(11.12,0.88) v1(13.59,29.7) v1(14.08,12.51) v1(14.28,21.44) v1(16.71,17.92) v1(16.71,17.92) v1(18.67,26.63) v1(18.9,30.02) v1(19.39,12.73) v1(20.77,13.36) v1(21.06,16.5) v1(21.12,47.88) v1(21.08,18.44) v1(21.12,0.88) v1(23.66,17.51) v1(24.33,16.05) v1(24.42,20.16) v1(25.32,30.49) v1(26.36,27.91) v1(27.85,22.72) v1(27.88,24.39) v1(29.74,24.36) v1(29.76,22.74) v1(30.88,25.73) v1(31.12,47.88) v1(31.12,0.88) v1(31.91,30.36) v1(32.18,18.78) v1(33,26.5) v1(33.76,21.34) v1(33.85,27.59) v1(34.4,26.8) v1(34.47,25.77) v1(34.59,34.96) v1(35.08,17.1) v1(36.07,41.3) v1(36.87,31.75) v1(37.05,29.29) v1(37.01,28.12) v1(37.01,27.05) v1(38.33,45.97) v1(40.16,41.38) v1(40.94,40.09) v1(41.12,47.88) v1(41.12,0.88) v1(41.2,46.46) v1(41.23,45.64) v1(41.2,44.88) v1(41.36,35.91) v1(41.96,46.43) v1(41.97,45.66) v1(41.97,44.9) v1(42.09,29.66) v1(42.74,7.57) v1(43,43.64) v1(42.99,39.67) v1(43.35,29.61) v1(43.72,34.13) v1(43.72,33.38) v1(44.32,34.88) v1(44.32,34.13) v1(44.32,33.38) v1(45.07,32.29) v1(45.16,43.32) v1(46.74,23.38) v1(47.12,31.88) v1(49.65,8.64) v1(49.82,21.02) v1(51.12,47.88) v1(51.9,24.27) v1(53.15,8.53) v1(56.67,39.99) v1(57.12,0.88) v1(58,29.35) v1(57.99,26.99) v1(58.81,24.92) v1(58.81,23.7) v1(60.02,12.99) v1(60.45,18.03) v1(60.52,33.9) v1(60.52,5.64) v1(60.6,37.7) v1(61.12,47.88) v1(61.77,24.89) v1(61.77,24.89) v1(61.77,23.75) v1(62.07,31.99) v1(62.17,20.39) v1(62.8,30.25) v1(63.39,4.98) v1(63.49,28.24) v1(63.7,27.22) v1(64.4,5.07) v1(65.26,37.42) v1(65.3,20.73) v1(66.03,3.56) v1(66.07,1.47) v1(66.03,0.71) v1(66.09,23.48) v1(66.1,2.85) v1(66.1,2.16) v1(66.23,10.61) v1(66.32,12.13) v1(66.75,40.14) v1(66.74,0.54) v1(67.07,4.07) v1(67.47,44.91) v1(67.48,0.52) v1(67.7,4.09) v1(67.83,33.2) v1(67.8,21.47) v1(67.85,12.12) v1(67.85,10.62) v1(67.85,9.14) v1(68.19,0.56) v1(68.47,4.09) v1(68.55,5.59) v1(68.6,6.3) v1(68.58,4.88) v1(68.95,27.25) v1(68.9,0.55) v1(69.24,16.78) v1(69.31,10.68) v1(69.32,9.12) v1(69.41,12.15) v1(69.55,20.82) v1(69.57,0.54) v1(70.12,47.88) v1(70.25,0.53) v1(70.32,5.93) v1(70.45,5.26) v1(70.49,4.52) v1(70.59,29.67) v1(70.94,34.39) v1(70.94,0.53) v1(71.15,4.13) v1(71.62,0.56) v1(71.97,23.99) v1(71.96,6.96) v1(71.94,3.95) v1(71.96,3.17) v1(71.99,2.48) v1(72.01,1.82) v1(72.01,1.13) v1(72.96,36.84) v1(73.05,3.58) v1(73.11,22.6) v1(73.12,0.88) v1(74.54,15.01) v1(74.67,31.82) v1(75.73,13.8) v1(75.84,26.51) v1(77.92,8.99) v1(78.18,34.37) v1(78.21,28.15) v1(78.59,7.97) v1(79.79,47.91) v1(81.12,0.88) v1(81.99,32.36) v1(83.02,22.96) v1(83.43,44.22) v1(84.2,6.01) v1(85.46,46.49) v1(85.42,44.68) v1(86.33,30.85) v1(86.34,29.88) v1(87.13,31.91) v1(88.46,5.57) v1(88.59,10.78) v1(89.06,17.44) v1(89.19,3.96) v1(90.74,28.26) v1(91.12,47.88) v1(91.12,0.88) v1(93.04,14.73) v1(93.21,13.67) v1(93.97,14.77) v1(93.99,15.42) v1(95.15,15.42) v1(95.16,14.82) v1(95.26,40.84) v1(96.39,15.16) v1(96.73,7.5) v1(96.84,26.7) v1(97.92,15.99) v1(98.37,4.98) v1(98.8,19.86) v1(98.85,17.38) v1(99.12,47.88) v1(99.55,15) v1(101,32.63) v1(100.99,31.88) v1(100.99,31.14) v1(101.35,17.37) v1(102.2,14.98) v1(103.04,18.34) v1(104.43,31.64) v1(104.41,30.62) v1(107.22,30.03) v1(107.28,31.73) v1(107.72,21.78) v1(108.75,21.71) v1(108.82,19.91) v1(108.89,28.84) v1(108.9,20.92) v1(109.01,33.92) v1(109.46,20.92) v1(109.43,19.91) v1(109.77,18.38) v1(110.09,17.19) v1(110.32,14.08) v1(110.4,15.59) v1(110.75,31.53) v1(110.91,30.09) v1(111.12,0.88) v1(112.12,17.3) v1(114.12,47.88) v1(114.9,15.97) v1(114.9,14.55) v1(114.91,13.33) v1(119.12,0.88) v1(119.89,10.63) v1(124.12,39.88) v1(124.12,29.88) v1(124.12,19.88) v1(124.12,9.88)
